# KiCad board panel.kicad_pcb (continued)
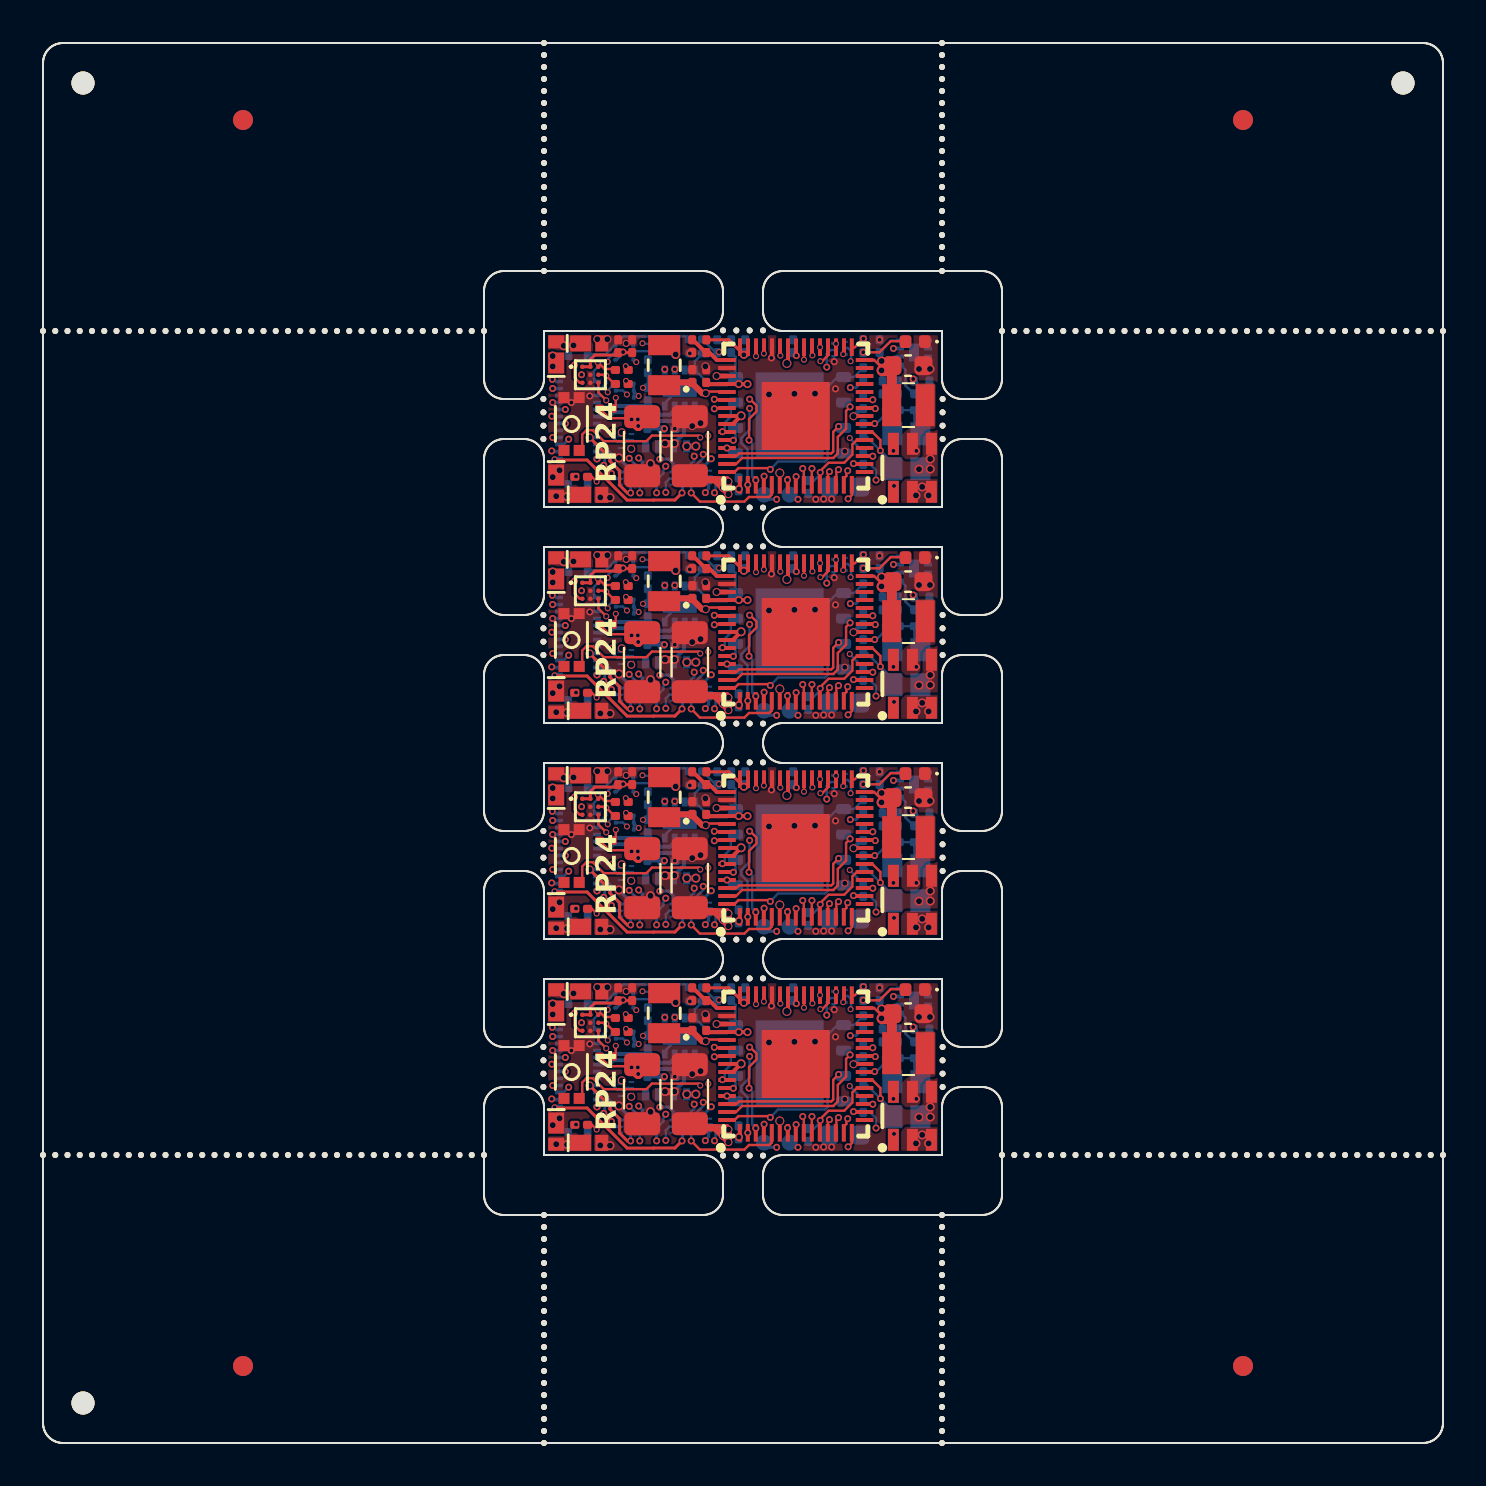
[diagram p0: board, top side]
## Placement (name value [footprint] x y rotation side) (continued)
L2#3  3.3uH  [IND-SMD_L2.0-W1.6_AOTA-B201610S3R3-101-T]  31.06 32.29 270 top
L2#4  3.3uH  [IND-SMD_L2.0-W1.6_AOTA-B201610S3R3-101-T]  31.06 21.49 270 top
Q1  DMN2991UDA-7B  [X2-DFN0806-6_L0.8-W0.6_X2-DFN0806-6]  39.82 33.1 270 bottom
Q1#2  DMN2991UDA-7B  [X2-DFN0806-6_L0.8-W0.6_X2-DFN0806-6]  39.82 22.3 270 bottom
Q1#3  DMN2991UDA-7B  [X2-DFN0806-6_L0.8-W0.6_X2-DFN0806-6]  39.82 43.9 270 bottom
Q1#4  DMN2991UDA-7B  [X2-DFN0806-6_L0.8-W0.6_X2-DFN0806-6]  39.82 54.7 270 bottom
Q2  DMN2991UDA-7B  [X2-DFN0806-6_L0.8-W0.6_X2-DFN0806-6]  29.15 50.1 270 bottom
Q2#2  DMN2991UDA-7B  [X2-DFN0806-6_L0.8-W0.6_X2-DFN0806-6]  29.15 39.3 270 bottom
Q2#3  DMN2991UDA-7B  [X2-DFN0806-6_L0.8-W0.6_X2-DFN0806-6]  29.15 17.7 270 bottom
Q2#4  DMN2991UDA-7B  [X2-DFN0806-6_L0.8-W0.6_X2-DFN0806-6]  29.15 28.5 270 bottom
Q3  DMN2991UDA-7B  [X2-DFN0806-6_L0.8-W0.6_X2-DFN0806-6]  30.44 37.47 270 bottom
Q3#2  DMN2991UDA-7B  [X2-DFN0806-6_L0.8-W0.6_X2-DFN0806-6]  30.44 26.67 270 bottom
Q3#3  DMN2991UDA-7B  [X2-DFN0806-6_L0.8-W0.6_X2-DFN0806-6]  30.44 15.87 270 bottom
Q3#4  DMN2991UDA-7B  [X2-DFN0806-6_L0.8-W0.6_X2-DFN0806-6]  30.44 48.27 270 bottom
Q4  DMN2991UDA-7B  [X2-DFN0806-6_L0.8-W0.6_X2-DFN0806-6]  29.14 48.27 270 bottom
Q4#2  DMN2991UDA-7B  [X2-DFN0806-6_L0.8-W0.6_X2-DFN0806-6]  29.14 37.47 270 bottom
Q4#3  DMN2991UDA-7B  [X2-DFN0806-6_L0.8-W0.6_X2-DFN0806-6]  29.14 15.87 270 bottom
Q4#4  DMN2991UDA-7B  [X2-DFN0806-6_L0.8-W0.6_X2-DFN0806-6]  29.14 26.67 270 bottom
Q5  DMN2991UDA-7B  [X2-DFN0806-6_L0.8-W0.6_X2-DFN0806-6]  31.74 48.27 270 bottom
Q5#2  DMN2991UDA-7B  [X2-DFN0806-6_L0.8-W0.6_X2-DFN0806-6]  31.74 26.67 270 bottom
Q5#3  DMN2991UDA-7B  [X2-DFN0806-6_L0.8-W0.6_X2-DFN0806-6]  31.74 37.47 270 bottom
Q5#4  DMN2991UDA-7B  [X2-DFN0806-6_L0.8-W0.6_X2-DFN0806-6]  31.74 15.87 270 bottom
Q6  DMN2991UDA-7B  [X2-DFN0806-6_L0.8-W0.6_X2-DFN0806-6]  33.04 15.87 270 bottom
Q6#2  DMN2991UDA-7B  [X2-DFN0806-6_L0.8-W0.6_X2-DFN0806-6]  33.04 26.67 270 bottom
Q6#3  DMN2991UDA-7B  [X2-DFN0806-6_L0.8-W0.6_X2-DFN0806-6]  33.04 37.47 270 bottom
Q6#4  DMN2991UDA-7B  [X2-DFN0806-6_L0.8-W0.6_X2-DFN0806-6]  33.04 48.27 270 bottom
Q7  NST847BPDP6T5G  [SOT-963]  29.09 31.02 180 bottom
Q7#2  NST847BPDP6T5G  [SOT-963]  29.09 52.62 180 bottom
Q7#3  NST847BPDP6T5G  [SOT-963]  29.09 41.82 180 bottom
Q7#4  NST847BPDP6T5G  [SOT-963]  29.09 20.22 180 bottom
Q8  NST847BPDP6T5G  [SOT-963]  29.07 43.71 180 bottom
Q8#2  NST847BPDP6T5G  [SOT-963]  29.07 22.11 180 bottom
Q8#3  NST847BPDP6T5G  [SOT-963]  29.07 54.51 180 bottom
Q8#4  NST847BPDP6T5G  [SOT-963]  29.07 32.91 180 bottom
R1  6.8K  [R_0201_0603Metric]  43.56 31.18 270 bottom
R1#2  6.8K  [R_0201_0603Metric]  43.56 20.38 270 bottom
R1#3  6.8K  [R_0201_0603Metric]  43.56 52.78 270 bottom
R1#4  6.8K  [R_0201_0603Metric]  43.56 41.98 270 bottom
R2  1K  [R_0201_0603Metric]  44.32 31.18 90 bottom
R2#2  1K  [R_0201_0603Metric]  44.32 41.98 90 bottom
R2#3  1K  [R_0201_0603Metric]  44.32 52.78 90 bottom
R2#4  1K  [R_0201_0603Metric]  44.32 20.38 90 bottom
R3  2.2K  [R_0201_0603Metric]  41.98 52.78 270 bottom
R3#2  2.2K  [R_0201_0603Metric]  41.98 41.98 270 bottom
R3#3  2.2K  [R_0201_0603Metric]  41.98 20.38 270 bottom
R3#4  2.2K  [R_0201_0603Metric]  41.98 31.18 270 bottom
R4  1K  [R_0201_0603Metric]  42.74 31.18 270 bottom
R4#2  1K  [R_0201_0603Metric]  42.74 20.38 270 bottom
R4#3  1K  [R_0201_0603Metric]  42.74 52.78 270 bottom
R4#4  1K  [R_0201_0603Metric]  42.74 41.98 270 bottom
R5  1K  [R_0201_0603Metric]  41.01 42.64 270 bottom
R5#2  1K  [R_0201_0603Metric]  41.01 31.84 270 bottom
R5#3  1K  [R_0201_0603Metric]  41.01 53.44 270 bottom
R5#4  1K  [R_0201_0603Metric]  41.01 21.04 270 bottom
R6  1K  [R_0201_0603Metric]  42.49 40.84 180 bottom
R6#2  1K  [R_0201_0603Metric]  42.49 51.64 180 bottom
R6#3  1K  [R_0201_0603Metric]  42.49 19.24 180 bottom
R6#4  1K  [R_0201_0603Metric]  42.49 30.04 180 bottom
R7  6.8K  [R_0201_0603Metric]  32.66 44.38 180 bottom
R7#2  6.8K  [R_0201_0603Metric]  32.66 22.78 180 bottom
R7#3  6.8K  [R_0201_0603Metric]  32.66 33.58 180 bottom
R7#4  6.8K  [R_0201_0603Metric]  32.66 55.18 180 bottom
R8  6.8K  [R_0201_0603Metric]  33.71 22.44 270 bottom
R8#2  6.8K  [R_0201_0603Metric]  33.71 44.04 270 bottom
R8#3  6.8K  [R_0201_0603Metric]  33.71 54.84 270 bottom
R8#4  6.8K  [R_0201_0603Metric]  33.71 33.24 270 bottom
R9  1K  [R_0201_0603Metric]  41.01 33.24 90 bottom
R9#2  1K  [R_0201_0603Metric]  41.01 54.84 90 bottom
R9#3  1K  [R_0201_0603Metric]  41.01 44.04 90 bottom
R9#4  1K  [R_0201_0603Metric]  41.01 22.44 90 bottom
R10  22R  [R_0201_0603Metric]  28.94 53.65 0 top
R10#2  22R  [R_0201_0603Metric]  28.94 42.85 0 top
R10#3  22R  [R_0201_0603Metric]  28.94 32.05 0 top
R10#4  22R  [R_0201_0603Metric]  28.94 21.25 0 top
R11  6.8K  [R_0201_0603Metric]  30.22 51.04 90 bottom
R11#2  6.8K  [R_0201_0603Metric]  30.22 18.64 90 bottom
R11#3  6.8K  [R_0201_0603Metric]  30.22 40.24 90 bottom
R11#4  6.8K  [R_0201_0603Metric]  30.22 29.44 90 bottom
R12  1K  [R_0201_0603Metric]  31.27 39.89 180 bottom
R12#2  1K  [R_0201_0603Metric]  31.27 29.09 180 bottom
R12#3  1K  [R_0201_0603Metric]  31.27 50.69 180 bottom
R12#4  1K  [R_0201_0603Metric]  31.27 18.29 180 bottom
R13  6.8K  [R_0201_0603Metric]  30.24 52.44 270 bottom
R13#2  6.8K  [R_0201_0603Metric]  30.24 41.64 270 bottom
R13#3  6.8K  [R_0201_0603Metric]  30.24 20.04 270 bottom
R13#4  6.8K  [R_0201_0603Metric]  30.24 30.84 270 bottom
R14  1K  [R_0201_0603Metric]  30.24 43.04 270 bottom
R14#2  1K  [R_0201_0603Metric]  30.24 53.84 270 bottom
R14#3  1K  [R_0201_0603Metric]  30.24 21.44 270 bottom
R14#4  1K  [R_0201_0603Metric]  30.24 32.24 270 bottom
R15  33R  [R_0201_0603Metric]  33.17 22.44 90 top
R15#2  33R  [R_0201_0603Metric]  33.17 44.04 90 top
R15#3  33R  [R_0201_0603Metric]  33.17 54.84 90 top
R15#4  33R  [R_0201_0603Metric]  33.17 33.24 90 top
R16  22R  [R_0201_0603Metric]  28.94 31.35 0 top
R16#2  22R  [R_0201_0603Metric]  28.94 20.55 0 top
R16#3  22R  [R_0201_0603Metric]  28.94 42.15 0 top
R16#4  22R  [R_0201_0603Metric]  28.94 52.95 0 top
R17  6.8K  [R_0201_0603Metric]  31.26 54.96 0 bottom
R17#2  6.8K  [R_0201_0603Metric]  31.26 44.16 0 bottom
R17#3  6.8K  [R_0201_0603Metric]  31.26 33.36 0 bottom
R17#4  6.8K  [R_0201_0603Metric]  31.26 22.56 0 bottom
R18  6.8K  [R_0201_0603Metric]  26.91 15.91 0 top
R18#2  6.8K  [R_0201_0603Metric]  26.91 26.71 0 top
R18#3  6.8K  [R_0201_0603Metric]  26.91 48.31 0 top
R18#4  6.8K  [R_0201_0603Metric]  26.91 37.51 0 top
R19  22R  [R_0201_0603Metric]  28.15 51.72 0 top
R19#2  22R  [R_0201_0603Metric]  28.15 40.92 0 top
R19#3  22R  [R_0201_0603Metric]  28.15 19.32 0 top
R19#4  22R  [R_0201_0603Metric]  28.15 30.12 0 top
SW1  BOOT  [SW-SMD_4P-L2.6-W1.6-P0.75-LS3.0]  26.43 18.55 90 top
SW1#2  BOOT  [SW-SMD_4P-L2.6-W1.6-P0.75-LS3.0]  26.43 40.15 90 top
SW1#3  BOOT  [SW-SMD_4P-L2.6-W1.6-P0.75-LS3.0]  26.43 50.95 90 top
SW1#4  BOOT  [SW-SMD_4P-L2.6-W1.6-P0.75-LS3.0]  26.43 29.35 90 top
U1  NCS2220AMUT1G  [DFN-8_L1.6-W1.6-P0.40-BL-EP]  43.55 54.52 270 bottom
U1#2  NCS2220AMUT1G  [DFN-8_L1.6-W1.6-P0.40-BL-EP]  43.55 32.92 270 bottom
U1#3  NCS2220AMUT1G  [DFN-8_L1.6-W1.6-P0.40-BL-EP]  43.55 43.73 270 bottom
U1#4  NCS2220AMUT1G  [DFN-8_L1.6-W1.6-P0.40-BL-EP]  43.55 22.12 270 bottom
U2  AP63203WU  [TSOT-26_L2.9-W1.6-P0.95-LS2.8-BL]  43.47 27.16 0 top
U2#2  AP63203WU  [TSOT-26_L2.9-W1.6-P0.95-LS2.8-BL]  43.47 48.76 0 top
U2#3  AP63203WU  [TSOT-26_L2.9-W1.6-P0.95-LS2.8-BL]  43.47 16.36 0 top
U2#4  AP63203WU  [TSOT-26_L2.9-W1.6-P0.95-LS2.8-BL]  43.47 37.96 0 top
U3  W25Q128JVPIQ  [WSON-8-1EP_6x5mm_P1.27mm_EP3.4x4.3mm]  37.33 18.99 180 bottom
U3#2  W25Q128JVPIQ  [WSON-8-1EP_6x5mm_P1.27mm_EP3.4x4.3mm]  37.33 29.79 180 bottom
U3#3  W25Q128JVPIQ  [WSON-8-1EP_6x5mm_P1.27mm_EP3.4x4.3mm]  37.33 40.59 180 bottom
U3#4  W25Q128JVPIQ  [WSON-8-1EP_6x5mm_P1.27mm_EP3.4x4.3mm]  37.33 51.39 180 bottom
U4  RP2350A  [QFN-60_L7.0-W7.0-P0.40-TL-EP3.4]  37.64 51.35 90 top
U4#2  RP2350A  [QFN-60_L7.0-W7.0-P0.40-TL-EP3.4]  37.64 29.75 90 top
U4#3  RP2350A  [QFN-60_L7.0-W7.0-P0.40-TL-EP3.4]  37.64 18.95 90 top
U4#4  RP2350A  [QFN-60_L7.0-W7.0-P0.40-TL-EP3.4]  37.64 40.55 90 top
U5  MAX98357AEWL+T  [WLP-9_L1.4-W1.3-P0.40-R3-C3-BR]  27.37 53.41 180 top
U5#2  MAX98357AEWL+T  [WLP-9_L1.4-W1.3-P0.40-R3-C3-BR]  27.37 21.01 180 top
U5#3  MAX98357AEWL+T  [WLP-9_L1.4-W1.3-P0.40-R3-C3-BR]  27.37 31.81 180 top
U5#4  MAX98357AEWL+T  [WLP-9_L1.4-W1.3-P0.40-R3-C3-BR]  27.37 42.61 180 top
U6  MD9927  [WDFN-8_L2.0-W2.0-P0.50-BL-EP]  31.84 31.15 180 bottom
U6#2  MD9927  [WDFN-8_L2.0-W2.0-P0.50-BL-EP]  31.84 41.95 180 bottom
U6#3  MD9927  [WDFN-8_L2.0-W2.0-P0.50-BL-EP]  31.84 52.75 180 bottom
U6#4  MD9927  [WDFN-8_L2.0-W2.0-P0.50-BL-EP]  31.84 20.35 180 bottom
Y1  X252012MMB4SI  [Crystal_SMD_2520-4Pin_2.5x2.0mm]  43.17 38.79 270 bottom
Y1#2  X252012MMB4SI  [Crystal_SMD_2520-4Pin_2.5x2.0mm]  43.17 17.19 270 bottom
Y1#3  X252012MMB4SI  [Crystal_SMD_2520-4Pin_2.5x2.0mm]  43.17 27.99 270 bottom
Y1#4  X252012MMB4SI  [Crystal_SMD_2520-4Pin_2.5x2.0mm]  43.17 49.59 270 bottom

## Library data of the parts
C1 C1#2-C1#4 C29 C29#2-C29#4 = -: LCSC: C49062; Height: 0.33
C2 C2#2-C2#4 = -: Datasheet: https://jlcpcb.com/api/file/downloadByFileSystemAccessId/8568525238768373760; Voltage: 25V; LCSC: C96446; Height: 1.0
C3 C3#2-C3#4 C6 C6#2-C6#4 = -: Description: Unpolarized capacitor; LCSC: C384956; Height: 0.3
C4 C4#2-C4#4 = -: Description: Unpolarized capacitor; LCSC: C49062; Height: 0.33
C5 C5#2-C5#4 C9 C9#2-C9#4 C13 C13#2-C13#4 C14 C14#2-C14#4 C15 C15#2-C15#4 = -: Voltage: 6V3; LCSC: C49062; Height: 0.33
C7 C7#2-C7#4 = -: LCSC: C86295; Height: 1.05
C8 C8#2-C8#4 = -: LCSC: C15008; Height: 1.9
C10 C10#2-C10#4 = -: Voltage: 2V5; LCSC: C49062; Height: 0.33
C11 C11#2-C11#4 C12 C12#2-C12#4 = -: LCSC: C335103; Height: 0.55
C16 C16#2-C16#4 = -: LCSC: C335103; Height: 0.7; Voltage: 6V3
C21 C21#2-C21#4 = -: Datasheet: https://wmsc.lcsc.com/wmsc/upload/file/pdf/v2/lcsc/2403261047_Chinocera-HGC1206R5476M250NSPJ_C22367835.pdf; Voltage: 25V; LCSC: C22367835; Height: 1.8
C27 C27#2-C27#4 C28 C28#2-C28#4 = -: Datasheet: https://wmsc.lcsc.com/wmsc/upload/file/pdf/v2/lcsc/2304140030_Murata-Electronics-GRM035R60J475ME15D_C335103.pdf; LCSC: C335103; Height: 0.55
D1 D1#2-D1#4 D3 D3#2-D3#4 = -: Datasheet: https://www.lcsc.com/datasheet/lcsc_datasheet_2108150030_LRC-LMBR4020H3T5G_C2852608.pdf; Description: 40V Independent Type 2A 560mV DFN-2(0.8x1.6) Schottky Diodes ROHS; LCSC: C2852608; Height: 0.42; JLCPCB_CORRECTION: 0;0;0
D2 D2#2-D2#4 D4 D4#2-D4#4 = -: Datasheet: https://www.lcsc.com/datasheet/lcsc_datasheet_2108150030_LRC-LMBR4020H3T5G_C2852608.pdf; Description: 40V Independent Type 2A 560mV DFN-2(0.8x1.6) Schottky Diodes ROHS; LCSC: C2852608; Height: 0.42
D5 D5#2-D5#4 D6 D6#2-D6#4 = -: Datasheet: https://wmsc.lcsc.com/wmsc/upload/file/pdf/v2/lcsc/2304281727_FUXINSEMI-RB161QS-40_C5563750.pdf; Description: Schottky diode; LCSC: C5563750; Height: 0.55; JLCPCB_CORRECTION: 0;0;180
D7 D7#2-D7#4 = -: Description: Light emitting diode; LCSC: C130724; JLCPCB_CORRECTION: 0;0;0; Height: 0.35
J1 J1#2-J1#4 = -: Datasheet: https://componentsearchengine.com/Datasheets/1/505270-2412.pdf; Description: SlimStack Board-to-Board Connector, 0.35mm Pitch, SSB RP Series, Plug, 0.60 or 0.70mm Mated Height, 2.00mm Mated Width,  Circuits, Armor Nail, 0.15mm Fitting Nail Width; Description_1: SlimStack Board-to-Board Connector, 0.35mm Pitch, SSB RP Series, Plug, 0.60 or 0.70mm Mated Height, 2.00mm Mated Width,  Circuits, Armor Nail, 0.15mm Fitting Nail Width; Height: 0.53; Manufacturer_Name: Molex; Manufacturer_Part_Number: 505270-2412; LCSC: C724151
J2 J2#2-J2#4 J3 J3#2-J3#4 = -: Description: Generic connector, single row, 01x01, script generated (kicad-library-utils/schlib/autogen/connector/)
L1 L1#2-L1#4 = -: Datasheet: https://wmsc.lcsc.com/wmsc/upload/file/pdf/v2/lcsc/2306021632_cjiang--Changjiang-Microelectronics-Tech-FTC252010S4R7MBCA_C5832360.pdf; Description: Inductor; LCSC: C5832360; Height: 1.0
L2 L2#2-L2#4 = -: Datasheet: https://jlcpcb.com/api/file/downloadByFileSystemAccessId/8567843503118221312; LCSC: C42411119
Q1 Q1#2-Q1#4 Q2 Q2#2-Q2#4 Q3 Q3#2-Q3#4 Q4 Q4#2-Q4#4 Q5 Q5#2-Q5#4 Q6 Q6#2-Q6#4 = -: Datasheet: https://wmsc.lcsc.com/wmsc/upload/file/pdf/v2/lcsc/2201121800_Diodes-Incorporated-DMN2991UDA-7B_C2937136.pdf; Description: 20V 450mA 310mW 990mΩ@100mA,4.5V 1V@250uA 2 N-Channel X2-DFN0806-6 MOSFETs ROHS; LCSC: C2937136; Height: 0.4
Q7 Q7#2-Q7#4 Q8 Q8#2-Q8#4 = -: Datasheet: https://assets.nexperia.com/documents/data-sheet/BC847BPN.pdf; Description: 100mA IC, 45V Vce, Dual NPN/PNP Transistors, SOT-363; LCSC: C896443
R1 R1#2-R1#4 = -: Description: Resistor; LCSC: C423451; Height: 0.26
R2 R2#2-R2#4 R4 R4#2-R4#4 = -: Description: Resistor; LCSC: C270365; Height: 0.26
R3 R3#2-R3#4 = -: Description: Resistor; LCSC: C473534; Height: 0.26
R5 R5#2-R5#4 = -: Description: Resistor; Height: 0.26; LCSC: C270365
R6 R6#2-R6#4 = -: Description: Resistor; LCSC: C270365
R7 R7#2-R7#4 R8 R8#2-R8#4 = -: Tolerance: 10%; LCSC: C423451; Height: 0.26
R9 R9#2-R9#4 = -: Tolerance: 10%; LCSC: C270365; Height: 0.26
R10 R10#2-R10#4 R16 R16#2-R16#4 R19 R19#2-R19#4 = -: Description: Resistor; LCSC: C270355
R11 R11#2-R11#4 R13 R13#2-R13#4 = -: Tolerance: 1%; LCSC: C423451; Height: 0.26
R12 R12#2-R12#4 R14 R14#2-R14#4 = -: Tolerance: 1%; LCSC: C270365; Height: 0.26
R15 R15#2-R15#4 = -: Description: Resistor; LCSC: C423356
R17 R17#2-R17#4 = -: Description: Resistor; Height: 0.26; LCSC: C423451
R18 R18#2-R18#4 = -: Description: Resistor; LCSC: C423451
SW1 SW1#2-SW1#4 = -: Datasheet: https://www.lcsc.com/datasheet/lcsc_datasheet_2304140030_HYP--Hongyuan-Precision-1TS026A-1000-0550-CT_C913778.pdf; Description: Push button switch, generic, two pins; LCSC: C913778; Height: 0.65
U1 U1#2-U1#4 = -: Datasheet: https://lcsc.com/product-detail/Analog-Comparators_ON-Semicon-ON-NCS2220AMUT1G_C464059.html; Description: Single General-Purpose Low-Voltage Comparator, SOT-23-5/SC-70-5; LCSC: C464059; JLCPCB_CORRECTION: 0;0;0; Height: 0.55
U2 U2#2-U2#4 = -: Datasheet: https://www.diodes.com/assets/Datasheets/AP63200-AP63201-AP63203-AP63205.pdf; Description: 2A, 1.1MHz Buck DC/DC Converter, fixed 3.3V output voltage, TSOT-23-6; LCSC: C780769; JLCPCB_CORRECTION: 0;0;0; Height: 1.0
U3 U3#2-U3#4 = -: Datasheet: https://www.winbond.com/resource-files/w25q128jv_dtr%20revc%2003272018%20plus.pdf; Description: 128Mb Serial Flash Memory, Standard/Dual/Quad SPI, WSON-8; LCSC: C190862; JLCPCB_CORRECTION: 0;0;90; Height: 0.8
U4 U4#2-U4#4 = -: Datasheet: https://datasheets.raspberrypi.com/rp2350/rp2350-datasheet.pdf; LCSC: C42411118
U5 U5#2-U5#4 = -: Datasheet: https://www.analog.com/media/en/technical-documentation/data-sheets/MAX98357A-MAX98357B.pdf; Description: Mono DAC with amplifier, I2S, PCM, TDM, 32-bit, 96khz, 3.2W, WLP-9; LCSC: C2682619; JLCPCB_CORRECTION: 0;0;0; Height: 0.69; LCSC Part: C2682619
U6 U6#2-U6#4 = -: Datasheet: https://lcsc.com/product-detail/Motor-Drivers_Shanghai-Mingda-Microelectronics-MD9927_C2684662.html; LCSC: C2684662; JLCPCB_CORRECTION: 0;0;180; LCSC Part: C2684662; Height: 0.65
Y1 Y1#2-Y1#4 = -: Datasheet: https://wmsc.lcsc.com/wmsc/upload/file/pdf/v2/lcsc/2403291506_YXC-Crystal-Oscillators-X252012MMB4SI-24_C2896601.pdf; Description: Four pin crystal, GND on pins 2 and 4; LCSC: C2896601; Height: 0.65; Frequency: 12MHz

## Footprints (pads in the part's own frame, mm; a bottom-side part is the same pattern mirrored in y, then rotated)
5050662422
  rect 0.18x0.4 smd: 1(-1.925,-0.95) 2(-1.575,-0.95) 3(-1.225,-0.95) 4(-0.875,-0.95) 5(-0.525,-0.95) 6(-0.175,-0.95) 7(0.175,-0.95) 8(0.525,-0.95) 9(0.875,-0.95) 10(1.225,-0.95) 11(1.575,-0.95) 12(1.925,-0.95) 13(1.925,0.95) 14(1.575,0.95) 15(1.225,0.95) 16(0.875,0.95) 17(0.525,0.95) 18(0.175,0.95) 19(-0.175,0.95) 20(-0.525,0.95) 21(-0.875,0.95) 22(-1.225,0.95) 23(-1.575,0.95) 24(-1.925,0.95)
  rect 0.4x0.385 smd: X1A(-3.195,-0.482) X1B(-3.205,0.482) X2A(3.205,-0.482) X2B(3.205,0.482)
C_0201_0603Metric
  rrect 0.318x0.36 smd: (-0.345,0) (0.345,0)
  rrect 0.46x0.4 smd: 1(-0.32,0) 2(0.32,0)
C_0603_1608Metric
  rrect 0.9x0.95 smd: 1(-0.775,0) 2(0.775,0)
C_1206_3216Metric
  rrect 1.15x1.8 smd: 1(-1.475,0) 2(1.475,0)
Crystal_SMD_2520-4Pin_2.5x2.0mm
  rect 1.15x1 smd: 1(-0.875,-0.7) 2(0.875,-0.7) 3(0.875,0.7) 4(-0.875,0.7)
DFN-8_L1.6-W1.6-P0.40-BL-EP
  rect 0.2x0.4 smd: 1(-0.6,-0.7) 2(-0.2,-0.7) 3(0.2,-0.7) 4(0.6,-0.7) 5(0.6,0.7) 6(0.2,0.7) 7(-0.2,0.7) 8(-0.6,0.7)
  rect 0.9x0.5 smd: 9(0,0)
DIO-SMD_L1.0-W0.6-P0.65-RD
  rect 0.35x0.6 smd: 1(-0.325,0) 2(0.325,0)
Fiducial
  round 1 smd: (0,0)
IND-SMD_L2.0-W1.6_AOTA-B201610S3R3-101-T
  rect 1x1.6 smd: 1(-1,0) 2(1,0)
IND-SMD_L2.5-W2.0-VLS252012CX-150M
  rect 0.95x2.1 smd: 1(-0.838,0) 2(0.838,0)
LED_0402_1005Metric
  rrect 0.59x0.64 smd: 1(-0.485,0) 2(0.485,0)
NPTH
  round 0.3 hole 0.3 unplated: (0,0)
NPTH#2
  round 1.152 hole 1.152 unplated: (0,0)
Pogo Pad 0.8mm
  round 0.8 smd: 1(0,0)
QFN-60_L7.0-W7.0-P0.40-TL-EP3.4
  rect 0.88x0.2 smd: 1(-3.44,2.8) 2(-3.44,2.4) 3(-3.44,2) 4(-3.44,1.6) 5(-3.44,1.2) 6(-3.44,0.8) 7(-3.44,0.4) 8(-3.44,0) 9(-3.44,-0.4) 10(-3.44,-0.8) 11(-3.44,-1.2) 12(-3.44,-1.6) 13(-3.44,-2) 14(-3.44,-2.4) 15(-3.44,-2.8) 31(3.44,-2.8) 32(3.44,-2.41) 33(3.44,-2.01) 34(3.44,-1.61) 35(3.44,-1.21) 36(3.44,-0.81) 37(3.44,-0.41) 38(3.44,-0.01) 39(3.44,0.39) 40(3.44,0.79) 41(3.44,1.19) 42(3.44,1.59) 43(3.44,1.99) 44(3.44,2.39) 45(3.44,2.79)
  rect 0.2x0.88 smd: 16(-2.8,-3.44) 17(-2.4,-3.44) 18(-2,-3.44) 19(-1.6,-3.44) 20(-1.2,-3.44) 21(-0.8,-3.44) 22(-0.4,-3.44) 23(0,-3.44) 24(0.4,-3.44) 25(0.8,-3.44) 26(1.2,-3.44) 27(1.6,-3.44) 28(2,-3.44) 29(2.4,-3.44) 30(2.8,-3.44) 46(2.8,3.44) 47(2.4,3.44) 48(2,3.44) 49(1.6,3.44) 50(1.2,3.44) 51(0.8,3.44) 52(0.4,3.44) 53(0,3.44) 54(-0.4,3.44) 55(-0.8,3.44) 56(-1.2,3.44) 57(-1.6,3.44) 58(-2,3.44) 59(-2.4,3.44) 60(-2.8,3.44)
  rect 3.4x3.4 smd: 61(0,0)
R_0201_0603Metric
  rrect 0.318x0.36 smd: (-0.345,0) (0.345,0)
  rrect 0.46x0.4 smd: 1(-0.32,0) 2(0.32,0)
SOT-963
  rrect 0.2x0.2 smd: 1(-0.45,0.35) 2(-0.45,0) 3(-0.45,-0.35) 4(0.45,-0.35) 5(0.45,0) 6(0.45,0.35)
SW-SMD_4P-L2.6-W1.6-P0.75-LS3.0
  rect 0.55x0.55 smd: 1(-1.32,0.38) 2(-1.32,-0.38) 3(1.32,0.38) 4(1.32,-0.38)
TSOT-26_L2.9-W1.6-P0.95-LS2.8-BL
  rect 0.55x1.1 smd: 1(-0.95,-1.2) 2(0,-1.2) 3(0.95,-1.2) 4(0.95,1.2) 5(0,1.2) 6(-0.95,1.2)
U-DFN1608-2_L1.6-W0.8-RD
  rect 1.05x0.8 smd: 1(-0.43,0)
  rect 0.65x0.8 smd: 2(0.63,0)
WDFN-8_L2.0-W2.0-P0.50-BL-EP
  rect 0.3x0.45 smd: 1(-0.75,-0.9) 2(-0.25,-0.9) 3(0.25,-0.9) 4(0.75,-0.9) 5(0.75,0.9) 6(0.25,0.9) 7(-0.25,0.9) 8(-0.75,0.9)
  rect 1.7x0.9 smd: 9(0,0)
WLP-9_L1.4-W1.3-P0.40-R3-C3-BR
  round 0.23 smd: A1(0.4,-0.4) A2(0,-0.4) A3(-0.4,-0.4) B1(0.4,0) B2(0,0) B3(-0.4,0) C1(0.4,0.4) C2(0,0.4) C3(-0.4,0.4)
WSON-8-1EP_6x5mm_P1.27mm_EP3.4x4.3mm
  rrect 1.37x1.73 smd: (-0.85,-1.075) (-0.85,1.075) (0.85,-1.075) (0.85,1.075)
  rrect 0.75x0.5 smd: 1(-2.7,1.905) 2(-2.7,0.635) 3(-2.7,-0.635) 4(-2.7,-1.905) 5(2.7,-1.905) 6(2.7,-0.635) 7(2.7,0.635) 8(2.7,1.905)
  rect 3.4x4.3 smd: 9(0,0)
X2-DFN0806-6_L0.8-W0.6_X2-DFN0806-6
  rect 0.1x0.28 smd: 1(-0.35,-0.27) 2(-0.05,-0.27) 4(0.35,0.27) 5(0.05,0.27)
  rect 0.15x0.35 smd: 3(0.27,-0.24) 6(-0.28,0.24)

## Nets
Board_0-+1V1: C10#2.1 C11#3.1 L2#2.2 U4.6 U4.23 U4.39 U4.50
Board_0-+3.3V: C1#2.2 C5.1 C7#3.1 C8#2.1 C9#2.1 C12#2.2 C13#3.1 C14.1 C15.1 C27#2.1 C28#4.1 C29#3.1 J1.18 L1#2.2 Q8#3.4 R3.1 R15#3.2 R19.1 U1.8 U2#2.1 U3#4.8 U4.1 U4.11 U4.20 U4.30 U4.38 U4.44 U4.45 U4.49 U4.53 U4.54 U5.A1 U5.A2 U6#3.7 U6#3.8
Board_0-/ADC_EMF_A: R11.1 R12#3.2 U4.42
Board_0-/ADC_EMF_B: R13.1 R14#2.2 U4.43
Board_0-/AUX1 (VDC): J1.11 Q3#4.6
Board_0-/AUX2 (VDC): J1.12 Q3#4.3
Board_0-/AUX3: J1.21 U4.18
Board_0-/AUX4: J1.20 U4.17
Board_0-/AUX5 (VDC): J1.16 Q6#4.6
Board_0-/AUX6 (VDC): J1.15 Q5.6
Board_0-/AUX7 (VDC): J1.14 Q6#4.3
Board_0-/AUX8 (VDC): J1.13 Q5.3
Board_0-/AUX10: J1.19 U4.14
Board_0-/AUX11: J1.23 U4.2
Board_0-/AUX12: J1.24 U4.3
Board_0-/CAP+: D6#2.2 J1.8 Q2.1 Q2.4
Board_0-/CAP_ENABLE: Q1#4.3 Q2.2 Q2.5 U4.32
Board_0-/CAP_VDC: C2#2.1 C21.1 D5#2.1 D6#2.1 Q2.3 Q2.6 U2#2.2 U2#2.3 U6#3.1
Board_0-/COMP_N: R3.2 R4#3.1 U1.6
Board_0-/COMP_P: R1#3.2 R2#3.1 U1.5
Board_0-/GPIO2: Q6#4.2 U4.4
Board_0-/GPIO3: Q6#4.5 U4.5
Board_0-/GPIO4: Q5.5 U4.7
Board_0-/GPIO5: Q3#4.5 U4.8
Board_0-/GPIO6: Q4.5 U4.9
Board_0-/GPIO7: Q4.2 U4.10
Board_0-/GPIO8: Q3#4.2 U4.12
Board_0-/GPIO9: Q5.2 U4.13
Board_0-/GPIO21: Q1#4.6 U4.33
Board_0-/GPIO25: U4.37 U6#3.6
Board_0-/GPIO26: U4.40 U6#3.5
Board_0-/I2S_BCLK: U4.36 U5.C1
Board_0-/I2S_DIN: U4.35 U5.B1
Board_0-/I2S_LRCLK: U4.34 U5.C3
Board_0-/LAMP_FRONT: J1.9 Q4.3
Board_0-/LAMP_REAR: J1.10 Q4.6
Board_0-/MOTOR_A: J1.6 J1.7 R11.2 U6#3.2
Board_0-/MOTOR_B: J1.4 J1.5 R13.2 U6#3.3
Board_0-/QSPI_CS: R5#3.1 U3#4.1 U4.60
Board_0-/QSPI_SCLK: U3#4.6 U4.56
Board_0-/QSPI_SD0: U3#4.5 U4.57
Board_0-/QSPI_SD1: U3#4.2 U4.59
Board_0-/QSPI_SD2: U3#4.3 U4.58
Board_0-/QSPI_SD3: U3#4.7 U4.55
Board_0-/RC_TX: R18#3.2 U4.15
Board_0-/SPEAKER_N: J1.2 R16#4.1 U5.B3
Board_0-/SPEAKER_P: J1.1 R10.1 U5.A3
Board_0-/SWCLK: J3#4.1 U4.24
Board_0-/SWDIO: J2.1 U4.25
Board_0-/SWITCH: C4#3.2 L1#2.1 U2#2.5
Board_0-/TRACK_LEFT: D1#3.1 D3.2 J1.X1A J1.X1B Q8#3.6 R7#4.2
Board_0-/TRACK_RIGHT: D2.1 D4#2.2 J1.X2A J1.X2B Q7#2.6
Board_0-/USB_N: R16#4.2 U4.52
Board_0-/USB_P: R10.2 U4.51
Board_0-/XIN: C6#4.1 U4.21 Y1#4.3
Board_0-/XOUT: R6#2.2 U4.22
Board_0-GND: C1#2.1 C2#2.2 C3#2.2 C5.2 C6#4.2 C7#3.2 C8#2.2 C9#2.2 C10#2.2 C11#3.2 C12#2.1 C13#3.2 C14.2 C15.2 C16#4.2 C21.2 C27#2.2 C28#4.2 C29#3.2 D1#3.2 D2.2 D7#3.1 J1.3 J1.22 Q1#4.1 Q1#4.4 Q3#4.1 Q3#4.4 Q4.1 Q4.4 Q5.1 Q5.4 Q6#4.1 Q6#4.4 Q8#3.1 R2#3.2 R4#3.2 R8#3.1 R12#3.1 R14#2.1 SW1#3.3 SW1#3.4 U1.4 U2#2.4 U3#4.4 U3#4.9 U4.41 U4.47 U4.61 U5.B2 U5.C2 U6#3.4 U6#3.9 Y1#4.2 Y1#4.4
Board_0-Net-(C3-Pad1): C3#2.1 R6#2.1 Y1#4.1
Board_0-Net-(D7-A): D7#3.2 R9#2.1
Board_0-Net-(Q1A-G1): Q1#4.2 R7#4.1 R8#3.2
Board_0-Net-(Q1B-G2): Q1#4.5 U1.7
Board_0-Net-(Q7A-B1): Q7#2.1 Q7#2.2 Q7#2.3 R17.1
Board_0-Net-(Q7B-B2): Q7#2.5 Q8#3.3 R18#3.1
Board_0-Net-(Q7B-E2): Q7#2.4 Q8#3.5 R19.2
Board_0-Net-(Q8A-B1): Q8#3.2 R17.2
Board_0-Net-(R5-Pad2): R5#3.2 SW1#3.2
Board_0-Net-(U2-BST): C4#3.1 U2#2.6
Board_0-Net-(U4-GPIO19): R9#2.2 U4.31
Board_0-Net-(U4-VREG_AVDD): C16#4.1 R15#3.1 U4.46
Board_0-Net-(U4-VREG_LX): L2#2.1 U4.48
Board_0-unconnected-(SW1-Pad1): SW1#3.1
Board_0-unconnected-(U1-EP-Pad9): U1.9
Board_0-unconnected-(U1-IN+1-Pad3): U1.3
Board_0-unconnected-(U1-IN−1-Pad2): U1.2
Board_0-unconnected-(U1-OUT1-Pad1): U1.1
Board_0-unconnected-(U4-GPIO12-Pad16): U4.16
Board_0-unconnected-(U4-GPIO15-Pad19): U4.19
Board_0-unconnected-(U4-GPIO16-Pad27): U4.27
Board_0-unconnected-(U4-GPIO17-Pad28): U4.28
Board_0-unconnected-(U4-GPIO18-Pad29): U4.29
Board_0-unconnected-(U4-RUN-Pad26): U4.26
Board_0-VDC: D3.1 D4#2.1 D5#2.2 J1.17 R1#3.1
Board_1-+1V1: C10.1 C11#4.1 L2.2 U4#4.6 U4#4.23 U4#4.39 U4#4.50
Board_1-+3.3V: C1#3.2 C5#4.1 C7#4.1 C8#3.1 C9#3.1 C12#3.2 C13.1 C14#4.1 C15#4.1 C27#3.1 C28.1 C29.1 J1#4.18 L1.2 Q8.4 R3#2.1 R15#2.2 R19#2.1 U1#3.8 U2#4.1 U3#3.8 U4#4.1 U4#4.11 U4#4.20 U4#4.30 U4#4.38 U4#4.44 U4#4.45 U4#4.49 U4#4.53 U4#4.54 U5#4.A1 U5#4.A2 U6#2.7 U6#2.8
Board_1-/ADC_EMF_A: R11#3.1 R12.2 U4#4.42
Board_1-/ADC_EMF_B: R13#2.1 R14.2 U4#4.43
Board_1-/AUX1 (VDC): J1#4.11 Q3.6
Board_1-/AUX2 (VDC): J1#4.12 Q3.3
Board_1-/AUX3: J1#4.21 U4#4.18
Board_1-/AUX4: J1#4.20 U4#4.17
Board_1-/AUX5 (VDC): J1#4.16 Q6#3.6
Board_1-/AUX6 (VDC): J1#4.15 Q5#3.6
Board_1-/AUX7 (VDC): J1#4.14 Q6#3.3
Board_1-/AUX8 (VDC): J1#4.13 Q5#3.3
Board_1-/AUX10: J1#4.19 U4#4.14
Board_1-/AUX11: J1#4.23 U4#4.2
Board_1-/AUX12: J1#4.24 U4#4.3
Board_1-/CAP+: D6#4.2 J1#4.8 Q2#2.1 Q2#2.4
Board_1-/CAP_ENABLE: Q1#3.3 Q2#2.2 Q2#2.5 U4#4.32
Board_1-/CAP_VDC: C2#3.1 C21#2.1 D5#4.1 D6#4.1 Q2#2.3 Q2#2.6 U2#4.2 U2#4.3 U6#2.1
Board_1-/COMP_N: R3#2.2 R4#4.1 U1#3.6
Board_1-/COMP_P: R1#4.2 R2#2.1 U1#3.5
Board_1-/GPIO2: Q6#3.2 U4#4.4
Board_1-/GPIO3: Q6#3.5 U4#4.5
Board_1-/GPIO4: Q5#3.5 U4#4.7
Board_1-/GPIO5: Q3.5 U4#4.8
Board_1-/GPIO6: Q4#2.5 U4#4.9
Board_1-/GPIO7: Q4#2.2 U4#4.10
Board_1-/GPIO8: Q3.2 U4#4.12
Board_1-/GPIO9: Q5#3.2 U4#4.13
Board_1-/GPIO21: Q1#3.6 U4#4.33
Board_1-/GPIO25: U4#4.37 U6#2.6
Board_1-/GPIO26: U4#4.40 U6#2.5
Board_1-/I2S_BCLK: U4#4.36 U5#4.C1
Board_1-/I2S_DIN: U4#4.35 U5#4.B1
Board_1-/I2S_LRCLK: U4#4.34 U5#4.C3
Board_1-/LAMP_FRONT: J1#4.9 Q4#2.3
Board_1-/LAMP_REAR: J1#4.10 Q4#2.6
Board_1-/MOTOR_A: J1#4.6 J1#4.7 R11#3.2 U6#2.2
Board_1-/MOTOR_B: J1#4.4 J1#4.5 R13#2.2 U6#2.3
Board_1-/QSPI_CS: R5.1 U3#3.1 U4#4.60
Board_1-/QSPI_SCLK: U3#3.6 U4#4.56
Board_1-/QSPI_SD0: U3#3.5 U4#4.57
Board_1-/QSPI_SD1: U3#3.2 U4#4.59
Board_1-/QSPI_SD2: U3#3.3 U4#4.58
Board_1-/QSPI_SD3: U3#3.7 U4#4.55
Board_1-/RC_TX: R18#4.2 U4#4.15
Board_1-/SPEAKER_N: J1#4.2 R16#3.1 U5#4.B3
Board_1-/SPEAKER_P: J1#4.1 R10#2.1 U5#4.A3
Board_1-/SWCLK: J3#2.1 U4#4.24
Board_1-/SWDIO: J2#4.1 U4#4.25
Board_1-/SWITCH: C4#4.2 L1.1 U2#4.5
Board_1-/TRACK_LEFT: D1#2.1 D3#4.2 J1#4.X1A J1#4.X1B Q8.6 R7.2
Board_1-/TRACK_RIGHT: D2#4.1 D4#3.2 J1#4.X2A J1#4.X2B Q7#3.6
Board_1-/USB_N: R16#3.2 U4#4.52
Board_1-/USB_P: R10#2.2 U4#4.51
Board_1-/XIN: C6.1 U4#4.21 Y1.3
Board_1-/XOUT: R6.2 U4#4.22
Board_1-GND: C1#3.1 C2#3.2 C3#4.2 C5#4.2 C6.2 C7#4.2 C8#3.2 C9#3.2 C10.2 C11#4.2 C12#3.1 C13.2 C14#4.2 C15#4.2 C16.2 C21#2.2 C27#3.2 C28.2 C29.2 D1#2.2 D2#4.2 D7#2.1 J1#4.3 J1#4.22 Q1#3.1 Q1#3.4 Q3.1 Q3.4 Q4#2.1 Q4#2.4 Q5#3.1 Q5#3.4 Q6#3.1 Q6#3.4 Q8.1 R2#2.2 R4#4.2 R8#2.1 R12.1 R14.1 SW1#2.3 SW1#2.4 U1#3.4 U2#4.4 U3#3.4 U3#3.9 U4#4.41 U4#4.47 U4#4.61 U5#4.B2 U5#4.C2 U6#2.4 U6#2.9 Y1.2 Y1.4
Board_1-Net-(C3-Pad1): C3#4.1 R6.1 Y1.1
Board_1-Net-(D7-A): D7#2.2 R9#3.1
Board_1-Net-(Q1A-G1): Q1#3.2 R7.1 R8#2.2
Board_1-Net-(Q1B-G2): Q1#3.5 U1#3.7
Board_1-Net-(Q7A-B1): Q7#3.1 Q7#3.2 Q7#3.3 R17#2.1
Board_1-Net-(Q7B-B2): Q7#3.5 Q8.3 R18#4.1
Board_1-Net-(Q7B-E2): Q7#3.4 Q8.5 R19#2.2
Board_1-Net-(Q8A-B1): Q8.2 R17#2.2
Board_1-Net-(R5-Pad2): R5.2 SW1#2.2
Board_1-Net-(U2-BST): C4#4.1 U2#4.6
Board_1-Net-(U4-GPIO19): R9#3.2 U4#4.31
Board_1-Net-(U4-VREG_AVDD): C16.1 R15#2.1 U4#4.46
Board_1-Net-(U4-VREG_LX): L2.1 U4#4.48
Board_1-unconnected-(SW1-Pad1): SW1#2.1
Board_1-unconnected-(U1-EP-Pad9): U1#3.9
Board_1-unconnected-(U1-IN+1-Pad3): U1#3.3
Board_1-unconnected-(U1-IN−1-Pad2): U1#3.2
Board_1-unconnected-(U1-OUT1-Pad1): U1#3.1
Board_1-unconnected-(U4-GPIO12-Pad16): U4#4.16
Board_1-unconnected-(U4-GPIO15-Pad19): U4#4.19
Board_1-unconnected-(U4-GPIO16-Pad27): U4#4.27
Board_1-unconnected-(U4-GPIO17-Pad28): U4#4.28
Board_1-unconnected-(U4-GPIO18-Pad29): U4#4.29
Board_1-unconnected-(U4-RUN-Pad26): U4#4.26
Board_1-VDC: D3#4.1 D4#3.1 D5#4.2 J1#4.17 R1#4.1
Board_2-+1V1: C10#4.1 C11#2.1 L2#3.2 U4#2.6 U4#2.23 U4#2.39 U4#2.50
Board_2-+3.3V: C1.2 C5#3.1 C7#2.1 C8.1 C9.1 C12#4.2 C13#4.1 C14#3.1 C15#2.1 C27.1 C28#2.1 C29#2.1 J1#3.18 L1#4.2 Q8#4.4 R3#4.1 R15#4.2 R19#4.1 U1#2.8 U2.1 U3#2.8 U4#2.1 U4#2.11 U4#2.20 U4#2.30 U4#2.38 U4#2.44 U4#2.45 U4#2.49 U4#2.53 U4#2.54 U5#3.A1 U5#3.A2 U6.7 U6.8
Board_2-/ADC_EMF_A: R11#4.1 R12#2.2 U4#2.42
Board_2-/ADC_EMF_B: R13#4.1 R14#4.2 U4#2.43
Board_2-/AUX1 (VDC): J1#3.11 Q3#2.6
Board_2-/AUX2 (VDC): J1#3.12 Q3#2.3
Board_2-/AUX3: J1#3.21 U4#2.18
Board_2-/AUX4: J1#3.20 U4#2.17
Board_2-/AUX5 (VDC): J1#3.16 Q6#2.6
Board_2-/AUX6 (VDC): J1#3.15 Q5#2.6
Board_2-/AUX7 (VDC): J1#3.14 Q6#2.3
Board_2-/AUX8 (VDC): J1#3.13 Q5#2.3
Board_2-/AUX10: J1#3.19 U4#2.14
Board_2-/AUX11: J1#3.23 U4#2.2
Board_2-/AUX12: J1#3.24 U4#2.3
Board_2-/CAP+: D6.2 J1#3.8 Q2#4.1 Q2#4.4
Board_2-/CAP_ENABLE: Q1.3 Q2#4.2 Q2#4.5 U4#2.32
Board_2-/CAP_VDC: C2#4.1 C21#4.1 D5#3.1 D6.1 Q2#4.3 Q2#4.6 U2.2 U2.3 U6.1
Board_2-/COMP_N: R3#4.2 R4.1 U1#2.6
Board_2-/COMP_P: R1.2 R2.1 U1#2.5
Board_2-/GPIO2: Q6#2.2 U4#2.4
Board_2-/GPIO3: Q6#2.5 U4#2.5
Board_2-/GPIO4: Q5#2.5 U4#2.7
Board_2-/GPIO5: Q3#2.5 U4#2.8
Board_2-/GPIO6: Q4#4.5 U4#2.9
Board_2-/GPIO7: Q4#4.2 U4#2.10
Board_2-/GPIO8: Q3#2.2 U4#2.12
Board_2-/GPIO9: Q5#2.2 U4#2.13
Board_2-/GPIO21: Q1.6 U4#2.33
Board_2-/GPIO25: U4#2.37 U6.6
Board_2-/GPIO26: U4#2.40 U6.5
Board_2-/I2S_BCLK: U4#2.36 U5#3.C1
Board_2-/I2S_DIN: U4#2.35 U5#3.B1
Board_2-/I2S_LRCLK: U4#2.34 U5#3.C3
Board_2-/LAMP_FRONT: J1#3.9 Q4#4.3
Board_2-/LAMP_REAR: J1#3.10 Q4#4.6
Board_2-/MOTOR_A: J1#3.6 J1#3.7 R11#4.2 U6.2
Board_2-/MOTOR_B: J1#3.4 J1#3.5 R13#4.2 U6.3
Board_2-/QSPI_CS: R5#2.1 U3#2.1 U4#2.60
Board_2-/QSPI_SCLK: U3#2.6 U4#2.56
Board_2-/QSPI_SD0: U3#2.5 U4#2.57
Board_2-/QSPI_SD1: U3#2.2 U4#2.59
Board_2-/QSPI_SD2: U3#2.3 U4#2.58
Board_2-/QSPI_SD3: U3#2.7 U4#2.55
Board_2-/RC_TX: R18#2.2 U4#2.15
Board_2-/SPEAKER_N: J1#3.2 R16.1 U5#3.B3
Board_2-/SPEAKER_P: J1#3.1 R10#3.1 U5#3.A3
Board_2-/SWCLK: J3#3.1 U4#2.24
Board_2-/SWDIO: J2#2.1 U4#2.25
Board_2-/SWITCH: C4#2.2 L1#4.1 U2.5
Board_2-/TRACK_LEFT: D1.1 D3#3.2 J1#3.X1A J1#3.X1B Q8#4.6 R7#3.2
Board_2-/TRACK_RIGHT: D2#3.1 D4#4.2 J1#3.X2A J1#3.X2B Q7.6
Board_2-/USB_N: R16.2 U4#2.52
Board_2-/USB_P: R10#3.2 U4#2.51
Board_2-/XIN: C6#2.1 U4#2.21 Y1#3.3
Board_2-/XOUT: R6#4.2 U4#2.22
